# Altium PCB SoDeRa-PCIe_1v0.PcbDoc (part 7 of 8)
Units mm, origin at the board's own origin, x right, y up, seen from the top; angles counter-clockwise.
Board outline 136.85 x 68.9 mm, 12 copper layers (Top, L2, L3, L4, L5, L6, L7, L8, L9, L10, L11, Bottom), stack 1.638 mm thick; 750 components, 495 nets, 3617 pads, 1756 vias.
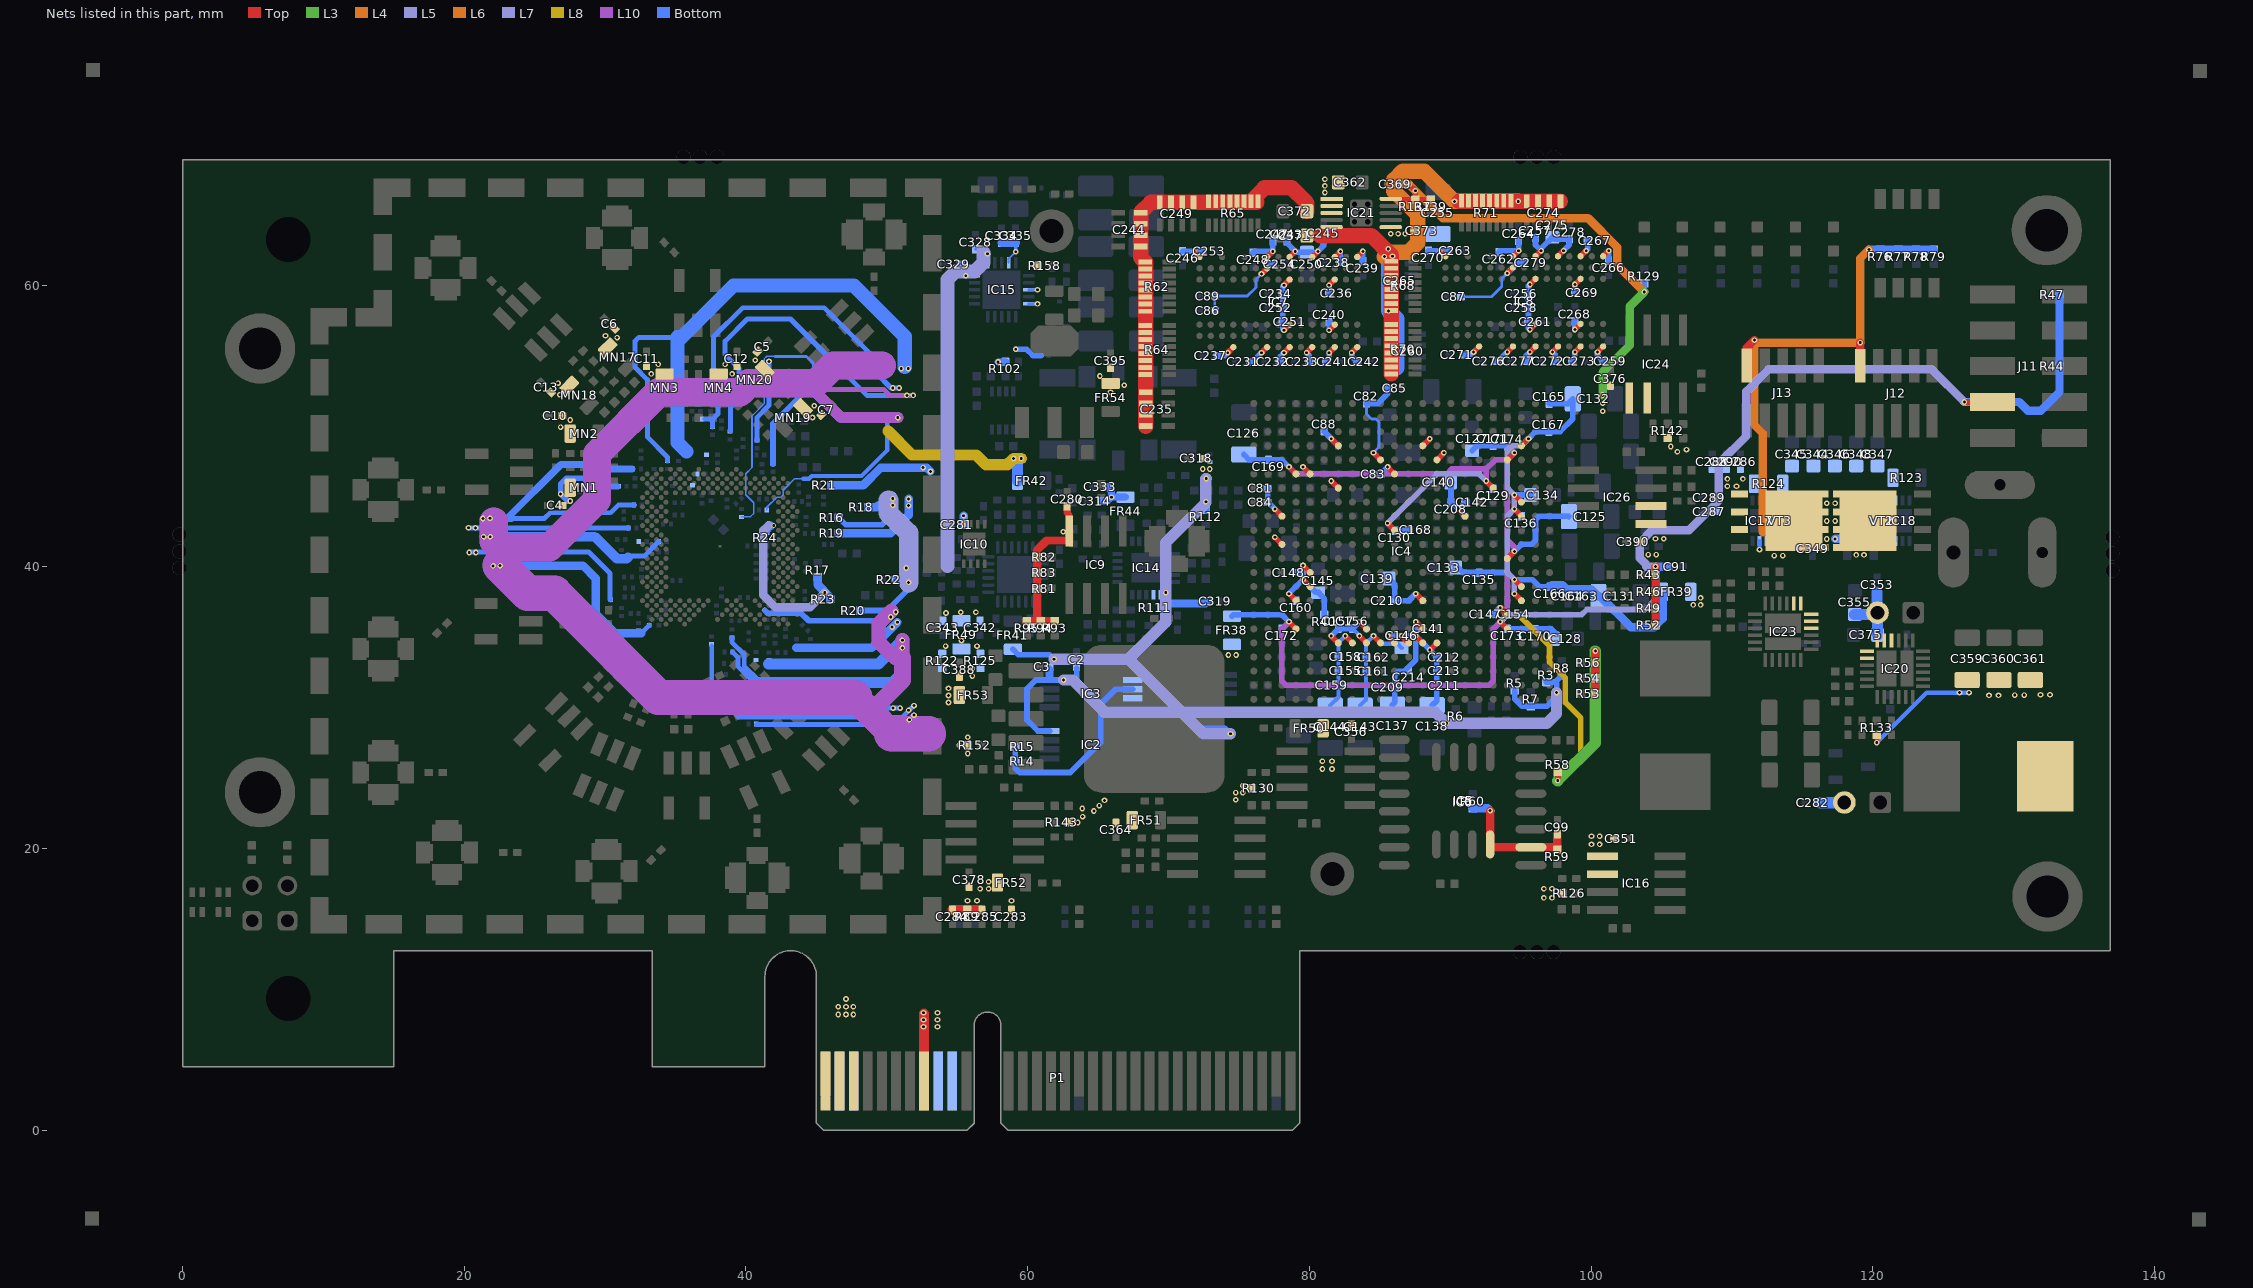
[diagram p17: the nets of this part, all layers, seen from the top]

## Via types
v1: diameter 0.4, hole 0.2, Top to Bottom, tented both sides, 1521 vias
v2: diameter 0.4, hole 0.2, Top to Bottom, tented top, 129 vias
v3: diameter 0.35, hole 0.2, Top to Bottom, tented top, 86 vias
v4: diameter 0.5, hole 0.2, Top to Bottom, tented both sides, 20 vias

## Nets (pads, with @x,y where several pads share a name; then routed paths per layer and width w, separated by ;. In a path a pad name is that pad's centre, name@x,y a point inside that pad or via, vN(x,y) a via of type N, cw(c..) or ccw(c..) an arc to the next point about the centre after c; other vN are vias at no path point) (continued)
VCC1P8_DDR2: C231.1 C232.1 C233.1 C234.1 C236.1 C237.1 C238.1 C239.1 C240.1 C241.1 C242.1 C243.1 C245.1 C246.1 C247.1 C248.1 C250.2 C251.2 C252.2 C253.1 C255.2 C256.1 C257.1 C258.1 C259.1 C261.1 C262.1 C263.1 C264.1 C266.1 C267.1 C268.1 C269.1 C270.1 C271.1 C272.1 C273.1 C275.2 C276.2 C277.2 C278.1 C362.2 IC7.A1 IC7.A9 IC7.C1 IC7.C3 IC7.C7 IC7.C9 IC7.E1 IC7.E9 IC7.G1 IC7.G3 IC7.G7 IC7.G9 IC7.J1 IC7.J9 IC7.M9 IC7.R1 IC8.A1 IC8.A9 IC8.C1 IC8.C3 IC8.C7 IC8.C9 IC8.E1 IC8.E9 IC8.G1 IC8.G3 IC8.G7 IC8.G9 IC8.J1 IC8.J9 IC8.M9 IC8.R1 IC21.1 IC21.2 R142.1 | length 55
  Top w0.4: v1(71.8,62.4) IC7.R1@72.2,62 ; v1(74.2,55.2) IC7.M9@74.6,55.6 ; v1(76.6,55.2) IC7.J9@77,55.6 ; IC7.J1@77,62 v1(77.4,62.4) ; v1(78.2,55.2) IC7.G9@78.6,55.6 ; v1(78.2,56.8) IC7.G7@78.6,57.2 ; v1(78.2,60) IC7.G3@78.6,60.4 ; IC7.G1@78.6,62 v1(79,62.4) ; v1(79.8,55.2) IC7.E9@80.2,55.6 ; IC7.E1@80.2,62 v1(80.6,62.4) ; v1(81.4,55.2) IC7.C9@81.8,55.6 ; v1(81.4,56.8) IC7.C7@81.8,57.2 ; v1(81.4,60) IC7.C3@81.8,60.4 ; IC7.C1@81.8,62 v1(82.2,62.4) ; v1(83,55.2) IC7.A9@83.4,55.6 ; IC7.A1@83.4,62 v1(83.8,62.4) ; v1(89.25,62.45) IC8.R1@89.65,62.05 ; v1(91.65,55.25) IC8.M9@92.05,55.65 ; v1(94.05,55.25) IC8.J9@94.45,55.65 ; IC8.J1@94.45,62.05 v1(94.85,62.45) ; v1(95.65,55.25) IC8.G9@96.05,55.65 ; v1(95.65,56.85) IC8.G7@96.05,57.25 ; v1(95.65,60.05) IC8.G3@96.05,60.45 ; IC8.G1@96.05,62.05 v1(96.45,62.45) ; v1(97.25,55.25) IC8.E9@97.65,55.65 ; IC8.E1@97.65,62.05 v1(98.05,62.45) ; v1(98.85,55.25) IC8.C9@99.25,55.65 ; v1(98.85,56.85) IC8.C7@99.25,57.25 ; v1(98.85,60.05) IC8.C3@99.25,60.45 ; IC8.C1@99.25,62.05 v1(99.65,62.45) ; v1(100.45,55.25) IC8.A9@100.85,55.65 ; IC8.A1@100.85,62.05 v1(101.25,62.45)
  Bottom w0.4: C246.1@71,62.4 C253.1@72.4,62.4 ; C237.1@73.5,55 74,55 v1(74.2,55.2) ; C231.1@75.8,54.55 75.95,54.55 v1(76.6,55.2) ; C248.1@76,62.3 76.1,62.4 v1(77.4,62.4) C247.1@77.4,63.1 ; C232.1@77.9,54.55 77.9,54.9 v1(78.2,55.2) ; v1(78.2,56.8) 78.1,56.9 C252.2@78.1,58.4 78.1,59.9 v1(78.2,60) ; C243.1@78.4,63.1 78.4,63 v1(79,62.4) 79.075,62.325 80.525,62.325 v1(80.6,62.4) 81,62.8 C245.1@81,63.2 ; v1(79.8,55.2) 80,55 C233.1@80,54.55 ; C241.1@81.2,54.55 81.4,54.75 v1(81.4,55.2) ; v1(81.4,56.8) C240.1@81.4,57.4 ; v1(81.4,60) 81.4,59.45 C236.1@81.425,59.425 ; C238.1@82.2,61.6 v1(82.2,62.4) ; v1(83,55.2) 83,54.95 C242.1@83.4,54.55 ; C239.1@83.8,61.7 v1(83.8,62.4) ; C270.1@88.45,62.45 C263.1@89.85,62.45 ; C271.1@90.95,55.05 91.45,55.05 v1(91.65,55.25) ; C276.2@93.25,54.6 93.4,54.6 v1(94.05,55.25) ; C262.1@93.45,62.35 93.55,62.45 v1(94.85,62.45) C264.1@94.85,63.15 ; C277.2@95.35,54.6 95.35,54.95 v1(95.65,55.25) ; v1(95.65,56.85) 95.55,56.95 95.55,59.95 v1(95.65,60.05) ; C257.1@96.05,63.35 96.05,62.85 v1(96.45,62.45) 96.45,62.6 C275.2@97.25,63.4 97.4,63.25 C278.1@98.45,63.25 98.45,62.85 v1(98.05,62.45) ; v1(97.25,55.25) 97.45,55.05 C272.1@97.45,54.6 ; C273.1@98.65,54.6 98.85,54.8 v1(98.85,55.25) ; v1(98.85,56.85) C268.1@98.85,57.45 ; v1(98.85,60.05) 98.85,59.5 C269.1@98.875,59.475 ; v1(99.65,62.45) 99.75,62.55 C267.1@99.75,63.15 ; v1(100.45,55.25) 100.45,55 C259.1@100.85,54.6 ; C266.1@101.25,61.75 v1(101.25,62.45)
  other v1: 106.125,48.175 106.775,48.325 105.65,48.55 81.1,66.575 81.1,67.05 81.1,67.525
VCC1P8_LMS: C4.2 C5.2 C6.2 C7.2 C10.2 C11.2 C12.2 C13.2 FR3.2 FR6.2 FR7.2 FR12.2 FR19.2 FR21.1 FR23.1 FR32.2 FR42.1 MN1.2 MN2.2 MN3.2 MN4.2 MN17.2 MN18.2 MN19.2 MN20.2 R25.2 R27.2 R35.1 R130.1 | length 98.9
  L8 w0.8: 50.1,49.65 51.8,47.95 56.35,47.95 57.05,47.25 58.55,47.25 v1(59,47.7) v1(59.55,47.7)
  Bottom w0.35: v1(20.3,42.775) 20.306,42.769 v1(20.8,42.769) FR21.1@31.671,42.769 ; v1(20.35,41.025) 20.394,41.069 28.825,41.069 30.35,39.544 30.35,37.685 FR23.1@30.399,37.636 ; 37.085,50.486 37.089,50.49 FR7.2@37.636,50.49 ; FR19.2@37.574,34.381 37.574,31.252 39.501,29.325 51.1,29.325 v1(51.925,30.15) ; FR3.2@37.625,49.935 37.625,50.479 FR7.2@37.636,50.49 ; R25.2@40.774,49.011 40.774,50.6 41.64,51.466 v1(41.64,54.592) ; v1(50.875,52.7) 50.294,52.7 49.284,53.709 49.284,54.672 45.557,58.4 39.766,58.4 37.694,56.328 37.694,54.034 38,53.728 38,50.85 37.64,50.49 FR7.2@37.636,50.49
  Bottom w0.4: v1(27.52,44.678) 27.345,44.678 v1(26.845,45.178) 26.845,45.891 27.26,46.306 28.604,46.306 29.046,45.863 30.037,45.863 30.194,45.706 FR12.2@30.889,45.706
  Bottom w0.6: R35.1@43.575,34.25 48.931,34.25 v1(50.753,36.072)
  Bottom w0.8: FR42.1@59.275,46.125 59.275,47.65
  other v1: 74.775,23.475 74.775,23.975 75.275,23.975 75.275,24.475 51.55,29.825 50.375,35.725 20.825,41.025 26.845,49.927 27.52,50.427 44.725,50.603 44.848,51.434 26.791,52.215 50.425,52.7 26.667,53.046 33.27,53.701 39.019,53.701 33.77,54.376 38.519,54.376 40.659,54.668 30.856,56.28 30.025,56.404
VCC1P25_LMS: FR1.2 FR2.1 FR4.1 FR5.1 FR8.2 FR9.1 FR11.2 FR13.2 FR14.1 FR15.2 FR18.1 FR22.2 FR25.2 FR26.2 FR27.1 FR28.1 FR30.1 R29.1 R30.2 R32.1 R33.2 R34.1 R143.1 | length 318.5
  L10 w0.35: 45.8,52.6 49.775,52.6 50.2,52.175 v1(51.875,52.175)
  L10 w0.8: 44.927,52.416 46.743,50.6 v1(50.775,50.6)
  L10 w1: 48.862,29.613 48.862,29.713 ; 50.312,36.863 49.425,35.975 49.425,34.675 50.575,33.525 51.103,33.525 v1(51.103,34.25) v1(51.103,34.797)
  L10 w1.2: 48.862,29.713 51.103,31.953 51.103,33.525
  L10 w2: 22.1,43.225 22.1,41.825 22.55,41.375 ; v1(22.55,40.094) 22.55,41.375 ; 47.75,30.725 48.862,29.613 50.325,28.15 ; 49.65,54.3 46.195,54.3 44.927,53.032 40.189,53.032 39.557,52.401 33.808,52.401 29.425,48.017 29.425,44.744 26.056,41.375 22.55,41.375
  L10 w2.5: v1(22.55,40.094) 24.519,38.125 26.4,38.125 33.8,30.725 47.75,30.725 ; 50.325,28.15 52.95,28.15
  Bottom w0.11: R29.1@39.674,43.551 39.694,43.572 40.331,43.572 40.549,43.79 40.549,44.559 39.983,45.125 39.983,45.565 39.983,46.615 40.429,47.061 40.429,50.722 41.285,51.578 41.285,54.757 41.475,54.947 42.053,54.947 ; FR4.1@41.479,44.031 41.479,44.23 42.18,44.932 42.448,44.932 42.641,45.125 42.641,45.448 43.449,46.256 44.074,46.256
  Bottom w0.2: 42.053,54.947 44.304,54.947 44.775,54.476 44.775,52.45
  Bottom w0.3: 44.074,46.256 44.474,46.256 44.674,46.456 48.206,46.456 50.025,48.275 50.025,50.6
  Bottom w0.35: 23.038,43.438 23.352,43.438 25.688,43.438 26.095,43.845 30.395,43.845 30.931,44.381 R30.2@32.074,44.381 ; 31.636,40.761 32.781,40.761 FR18.1@33.82,41.8 ; 32.738,35.465 FR28.1@33.134,35.861 ; FR1.2@34.424,47.511 34.424,47.806 33,49.23 33,53.299 32.12,54.179 32.12,56.022 32.398,56.301 35.137,56.301 ; FR13.2@38.899,49.636 38.899,51.324 39.494,51.919 39.494,54.09 38.52,55.064 38.52,56.022 40.098,57.6 43.161,57.6 48.586,52.175 v1(51.425,52.175) v1(51.875,52.175) v1@51.9,52.175 ; FR22.2@38.999,34.956 38.999,34.66 39.879,33.78 39.879,32.956 40.825,32.01 40.825,31.85 40.529,31.85 39.429,32.95 39.429,33.576 39.074,33.931 R32.1@39.049,33.931 ; FR5.1@40.76,28.825 51.25,28.825 v1@51.925,29.5 ; FR25.2@40.905,29.975 v1(50.944,29.975)
  Bottom w0.4: FR26.2@41.361,36.894 41.549,36.706 41.995,36.706 42,36.711 42.548,36.711 42.553,36.706 42.555,36.706 42.56,36.711 43.919,36.711 44.455,36.175 50.007,36.175 v1(50.275,36.443) v1(50.632,36.8) ; FR2.1@41.924,47.286 41.924,50.174 44.2,52.45 44.775,52.45
  Bottom w0.5: v1(21.325,43.438) 23.352,43.438 ; 23.038,43.438 26.856,47.256 29.019,47.256 29.329,46.946 R33.2@31.924,46.946
  Bottom w0.6: v1@22,40.094 v1(22.55,40.094) 28.421,40.094 29.32,39.194 29.32,36.693 30.713,35.3 32.573,35.3 ; 44.775,52.45 46.625,50.6 50.025,50.6 v1(50.775,50.6)
  Bottom w0.7: v1@21.425,42.144 v1(21.85,42.144) 29.27,42.144 30.833,40.581 31.531,40.581 31.617,40.667
  Bottom w0.8: 40.825,31.8 50.4,31.8 51.103,32.503 v1(51.103,34.25) v1(51.103,34.797) 49.407,33.1 41.599,33.1
  Bottom w1: 35.137,56.301 35.137,48.825 35.769,48.193 ; 35.288,56.149 39.114,59.975 47.65,59.975 51.275,56.35 51.275,54.2
  other v1: 63.55,21.85 63.9,22.275 63.875,22.85 51.6,29.15 51.925,29.475 50.45,29.975 22.05,40.075 21.375,42.144 21.825,43.45 51.025,54.075 51.525,54.075
VCC1P25_LMS_DIG: R16.2 R18.2 R20.2 R22.2 R152.1 | length 20.3
  L5 w1.4: 50.125,44.725 50.125,43.825 51.55,42.4 v1(51.55,38.9)
  Bottom w0.4: R16.2@46.575,43.5 47.075,43 49.675,43 50.375,43.7 ; R20.2@48.1,36.9 50.025,36.9 51.55,38.425 v1(51.55,38.9) 51.35,39.1 51,39.1 ; R22.2@50.65,39.1 51,39.1 ; v1(51.375,39.925) 51.375,39.475 51,39.1
  Bottom w0.6: R18.2@48.675,44.25 49.3,44.25 49.425,44.375 v1@50.375,44.375 ; 50.375,43.7 v1@50.375,44.375 ; 50.375,45.05 v1@50.375,44.375
  other v1: 55.75,26.75 55.15,27.35 55.75,27.9 50.425,44.375 50.425,44.85
VCC2P5: FR38.1 FR39.1 R125.2 R126.1
  other v1: 96.65,16.5 97.225,16.5 96.65,17.15 97.225,17.15 56.075,32.25 56.075,32.775 74.25,33.75 74.8,33.75 107.25,37.3 107.775,37.3 107.775,37.8
VCC2P5A_FPGA: C91.1 C125.2 C126.2 C127.2 C128.2 C129.2 C130.1 C168.1 C169.1 C170.1 C171.1 C172.1 C173.1 C174.1 FR38.2 IC4.F4 IC4.F19 IC4.L4 IC4.N12 IC4.T5 IC4.U19 IC4.V4 J11.4 R43.1 R44.1 R46.1 R47.1 R49.1 R52.1 | length 162
  Top w0.4: v1(78.55,36.1) IC4.F19@79.05,35.6 ; v1(78.55,47.1) IC4.U19@79.05,46.6 ; v1(85.55,43.1) IC4.N12@86.05,42.6 ; v1(92.55,46.1) IC4.T5@93.05,45.6 ; v1(93.55,36.1) IC4.F4@94.05,35.6 ; IC4.L4@94.05,40.6 v1(94.55,41.1) ; IC4.V4@94.05,47.6 v1(94.55,48.1) ; v1(126.5,51.707) J11.4@128,51.707
  Top w0.6: R52.1@104.575,35.85 R49.1@104.575,37.05 R46.1@104.575,38.25 R43.1@104.575,39.45 v1(104.575,40.025)
  L5 w0.6: v1(104.575,40.025) 103.925,40.025 103.925,40.151 103.45,40.626 103.45,41.731 103.457,41.731 104.326,42.6 106.959,42.6 109.075,44.716 109.075,47.356 111.025,49.306 111.025,52.464 112.586,54.025 124.182,54.025 v1(126.5,51.707)
  L10 w0.4: v1(78.55,36.1) 78.05,35.6 78.05,31.893 78.343,31.6 92.757,31.6 93.05,31.893 93.05,35.6 v1(93.55,36.1) 94.05,36.6 94.05,40.6 v1(94.55,41.1) 94.55,41.393 94.05,41.893 94.05,46.893 94.05,47.6 ; v1(78.55,47.1) 79.05,46.6 89.757,46.6 90.107,46.95 92.55,46.95 ; v1(92.55,46.1) 92.55,46.95 ; v1(94.55,48.1) 94.05,47.6 ; 92.55,46.95 93.2,47.6 94.05,47.6
  L7 w0.4: v1(85.55,43.1) 89.05,46.6 92.05,46.6 v1(92.55,46.1) ; v1(93.55,36.1) 94.05,36.6 99.325,36.6 99.7,36.975 103.825,36.975 104.575,37.725 v1(104.575,40.025)
  Bottom w0.4: FR38.2@74.5,36.5 74.6,36.6 78.05,36.6 v1(78.55,36.1) C172.1@78.05,35.6 ; C126.2@75.35,47.975 75.725,47.6 78.05,47.6 v1(78.55,47.1) ; v1(85.55,43.1) C130.1@86.075,42.575 ; C130.1@86.125,42.625 86.318,42.625 86.343,42.6 87.05,42.6 C168.1@87.05,42.625 ; C127.2@91.55,48.25 91.9,48.6 94.05,48.6 v1(94.55,48.1) ; v1(92.55,46.1) 93.05,45.6 C129.2@93.05,45.55 ; v1(93.55,36.1) C173.1@94.05,35.6 97.169,35.6 C128.2@97.489,35.28 ; v1(94.55,41.1) 95.05,41.6 95.757,41.6 96.05,41.893 96.05,43.35 96.3,43.6 98.4,43.6 C125.2@98.425,43.575
  Bottom w0.6: v1(104.575,40.025) C91.1@105.5,40.025 ; v1(126.5,51.707) 130.393,51.707 131,51.1 131.925,51.1 133.25,52.425 R44.1@133.25,54.25 R47.1@133.25,59.336
VCC2P5AH_FPGA: C131.2 C132.2 C133.2 C134.2 C135.2 C136.1 C163.1 C164.1 C165.1 C166.1 C167.1 FR39.2 IC4.H3 IC4.J3 IC4.P3 IC4.R3 IC4.W3 | length 43.7
  Top w0.4: v1(94.55,38.1) IC4.H3@95.05,37.6 ; v1(94.55,39.1) IC4.J3@95.05,38.6 ; v1(94.55,44.1) IC4.P3@95.05,43.6 ; v1(94.55,45.1) IC4.R3@95.05,44.6 ; IC4.W3@95.05,48.6 v1(95.55,49.1)
  L7 w0.4: v1(94.55,38.1) v1(94.55,39.1) 94.05,39.6 94.05,43.6 v1(94.55,44.1) v1(94.55,45.1) 94.05,45.6 94.05,46.893 94.05,48.307 94.343,48.6 95.05,48.6 v1(95.55,49.1)
  Bottom w0.4: C133.2@90.4,40.1 90.9,39.6 94.05,39.6 v1(94.55,39.1) 95.825,39.1 96.325,38.6 C166.1@97.1,38.6 ; v1(94.55,44.1) C136.1@95.05,43.6 ; v1(94.55,45.1) C134.2@95.7,45.1 ; v1(95.55,49.1) 96.05,49.6 97.8,49.6 98.7,50.5 C132.2@98.7,51.925 C132.2@98.375,51.6 ; C165.1@97.025,51.575 97.025,51.6 97.757,51.6 97.782,51.575 C132.2@98.35,51.575
  Bottom w0.6: C166.1@97.1,38.6 97.2,38.7 97.968,38.7 98.268,38.4 C164.1@98.35,38.4 C163.1@99.325,38.4 100.025,38.4 C131.2@100.525,37.9 100.65,37.9 102.825,35.725 104.475,35.725 105.075,36.325 FR39.2@105.075,38.225
VCC3P3: C99.1 C143.2 C144.2 C145.2 C146.2 C147.2 C148.1 C154.1 C155.1 C156.1 C157.1 C158.1 C159.1 C160.1 C161.1 C162.1 C280.1 C281.1 C351.2 C356.2 C359.2 C360.2 C361.2 C364.2 C369.2 C376.2 C378.2 C388.2 C390.2 FR48.1 FR50.1 FR51.1 FR52.1 FR53.1 IC4.E13 IC4.E14 IC4.E15 IC4.E16 IC4.F14 IC4.G4 IC4.H19 IC4.J18 IC4.K18 IC5.8 IC6.2 IC9.8 IC10.8 IC16.1 IC16.2 IC21.10 IC24.1 IC24.2 IC26.1 IC26.2 J12.2 J13.2 L1.2 R40.2 R53.1 R54.1 R56.1 R58.1 R59.1 R60.1 R76.1 R77.1 R78.1 R79.1 R81.1 R82.1 R83.1 R93.1 R94.1 R95.1 R122.2 R129.2 R133.1 R137.1 R139.1 | length 165.9
  Top w0.3: IC21.10@85.775,66.125 87.525,66.125 88.575,66.125 R139.1@88.625,66.075
  Top w0.309: v1(120.274,27.526) R133.1@120.274,28.076
  Top w0.4: v1(78.55,38.1) IC4.H19@79.05,37.6 ; v1(79.55,39.1) IC4.J18@80.05,38.6 ; v1(79.55,40.1) IC4.K18@80.05,39.6 ; v1(81.55,35.1) IC4.E16@82.05,34.6 ; v1(82.55,35.1) IC4.E15@83.05,34.6 ; v1(83.55,35.1) IC4.E14@84.05,34.6 ; v1(83.55,36.1) IC4.F14@84.05,35.6 ; v1(84.55,35.1) IC4.E13@85.05,34.6 ; C369.2@86.6,67.15 v1(87.075,67.15) v1(87.525,66.7) 87.525,66.125 R137.1@87.525,66.075 ; v1(93.55,37.1) IC4.G4@94.05,36.6 ; v1(97.625,24.825) R58.1@97.625,25.45
  Top w0.5: C280.1@62.8,44.3 62.8,43.875 cw(c62.45,43.525) 62.945,43.525 IC9.8@62.945,42.55
  Top w0.6: R95.1@59.95,36.15 R94.1@60.925,36.15 ; R93.1@61.925,36.15 R94.1@60.925,36.15 ; IC9.8@62.945,42.55 62.945,41.875 61.351,41.875 60.675,41.199 R82.1@60.675,40.675 R83.1@60.675,39.575 R81.1@60.675,38.45 60.675,36.4 R94.1@60.925,36.15 ; v1(92.83,22.695) 92.83,20.95 92.83,20.1 IC6.2@95.725,20.1 97.425,20.1 R59.1@97.6,19.925 C99.1@97.6,21.025 ; R53.1@100.3,31 R54.1@100.3,32.1 R56.1@100.3,33.2 v1(100.3,34.025) ; J13.2@111.05,54.3 111.05,55.55 v1(111.6,56.1) ; J12.2@119.1,54.275 v1(119.1,55.925)
  L3 w0.6: v1(100.825,52.2) 100.825,53.825 102.75,55.75 102.75,58.505 v1(103.77,59.525)
  L3 w0.8: v1(97.625,24.825) 100.3,27.5 v1(100.3,34.025)
  L4 w0.6: v1(87.075,67.15) 89.475,64.75 99.799,64.75 101.85,62.699 101.85,61.445 v1(103.77,59.525)
  L8 w0.4: v1(93.55,37.1) 94.05,36.6 94.85,36.6 97.05,34.4 97.05,33.25 98.175,32.125 98.175,30.375 99.275,29.275 99.275,26.475 v1(97.625,24.825)
  L6 w0.6: v1(111.6,56.1) 111.6,50.075 112.2,49.475 112.2,42.475 ; 111.775,55.925 v1(119.1,55.925) 119.1,61.9 v1(119.725,62.525)
  Bottom w0.3: C144.2@81.475,30.15 82.075,30.75 82.075,34.575 ; v1(81.55,35.1) 82.075,34.575 ; v1(82.55,35.1) 82.075,34.625 82.075,34.575 ; C156.1@83.05,35.625 83.55,35.125 v1(83.55,35.1) 84.025,34.625 ; C143.2@83.6,30.15 84.025,30.575 84.025,34.625 ; C146.2@86.55,34.25 86.25,34.55 85.1,34.55 v1(84.55,35.1) 84.075,34.625 84.025,34.625
  Bottom w0.309: v1(120.274,27.526) 123.824,31.076 v1(126.824,31.076)
  Bottom w0.4: v1(59.15,55.45) 59.925,55.45 60.376,54.999 FR48.1@60.943,54.999 ; C160.1@79.05,37.6 v1(78.55,38.1) v1(79.55,39.1) ; C148.1@79.05,39.6 79.525,39.6 ; v1(79.55,40.1) v1(79.55,39.1) ; C145.2@80.625,38.175 81.05,37.75 R40.2@81.05,36.6 ; C145.2@80.675,38.2 80.45,38.2 v1(79.55,39.1) ; v1(81.55,35.1) C157.1@82.05,35.6 ; C157.1@82.05,35.625 C157.1@82.05,35.6 ; v1(83.55,36.1) 83.075,35.625 C156.1@83.05,35.625 83.025,35.6 C157.1@82.05,35.6 ; C147.2@93.025,36.625 93.5,37.1 v1(93.55,37.1) C154.1@94.025,36.625 ; v1(103.77,59.525) R129.2@103.77,60.125
  Bottom w0.6: C281.1@55.45,43 v1(55.45,43.625) ; R60.1@91.6,22.85 92.675,22.85 v1(92.83,22.695) ; v1(119.725,62.525) R76.1@120.53,62.525 R77.1@121.8,62.525 R78.1@123.07,62.525 R79.1@124.34,62.525
  other v1: 56.625,17.15 57.225,17.15 57.225,17.65 100.025,20.3 100.6,20.3 100.025,20.875 100.6,20.875 64.7,22.675 65.075,23.05 65.45,23.425 80.925,25.65 81.6,25.65 80.925,26.2 81.6,26.2 54.375,30.375 54.375,30.875 128.249,30.876 128.924,30.876 130.074,30.901 130.749,30.901 131.899,30.926 132.574,30.926 126.149,31.076 54.375,31.375 104.05,40.875 104.625,40.875 104.575,42 105.15,42 62.525,42.5 100.825,51.05 100.825,51.625
VCC3P3_CLK: C314.2 C318.1 C319.1 C333.1 C334.1 C335.1 FR40.2 FR41.1 FR44.1 FR45.1 IC14.16 IC14.17 IC15.14 IC15.18 IC15.20 R102.1 R111.2 R112.2 R158.1 | length 46
  L5 w0.8: v1(61.875,33.45) 67.175,33.45 ; v1(72.675,46.275) 72.65,46.25 72.65,44.575 69.8,41.725 v1(69.8,38.175) 69.8,36.075 67.175,33.45 ; v1(74.4,28.15) 72.475,28.15 67.175,33.45
  Bottom w0.15: IC15.14@58.65,61.6 58.65,61.875 v1(59.15,62.375)
  Bottom w0.2: IC15.20@60.075,58.675 v1(60.7,58.675) ; IC15.18@60.075,59.675 v1(60.7,59.675)
  Bottom w0.25: v1(59.15,62.375) C335.1@59.15,63.025
  Bottom w0.4: FR41.1@58.95,34.15 59.325,33.775 61.55,33.775 v1(61.875,33.45) ; FR45.1@72.525,28.541 74.009,28.541 v1(74.4,28.15)
  Bottom w0.5: v1(57.9,54.55) R102.1@58.475,54.55 ; C314.2@65.25,44.675 65.675,44.675 v1(65.95,44.95) ; C333.1@65.65,45.675 65.95,45.375 v1(65.95,44.95) ; FR44.1@66.95,44.95 v1(65.95,44.95) ; R112.2@72.65,44.05 v1(72.65,44.625)
  Bottom w0.6: C334.1@58.15,63 59.125,63 C335.1@59.15,63.025 ; 69.7,37.475 69.775,37.4 72.625,37.4 C319.1@72.8,37.575